# Altium PCB Stabilizer_Pounder.PcbDoc (part 2 of 2) (continued)
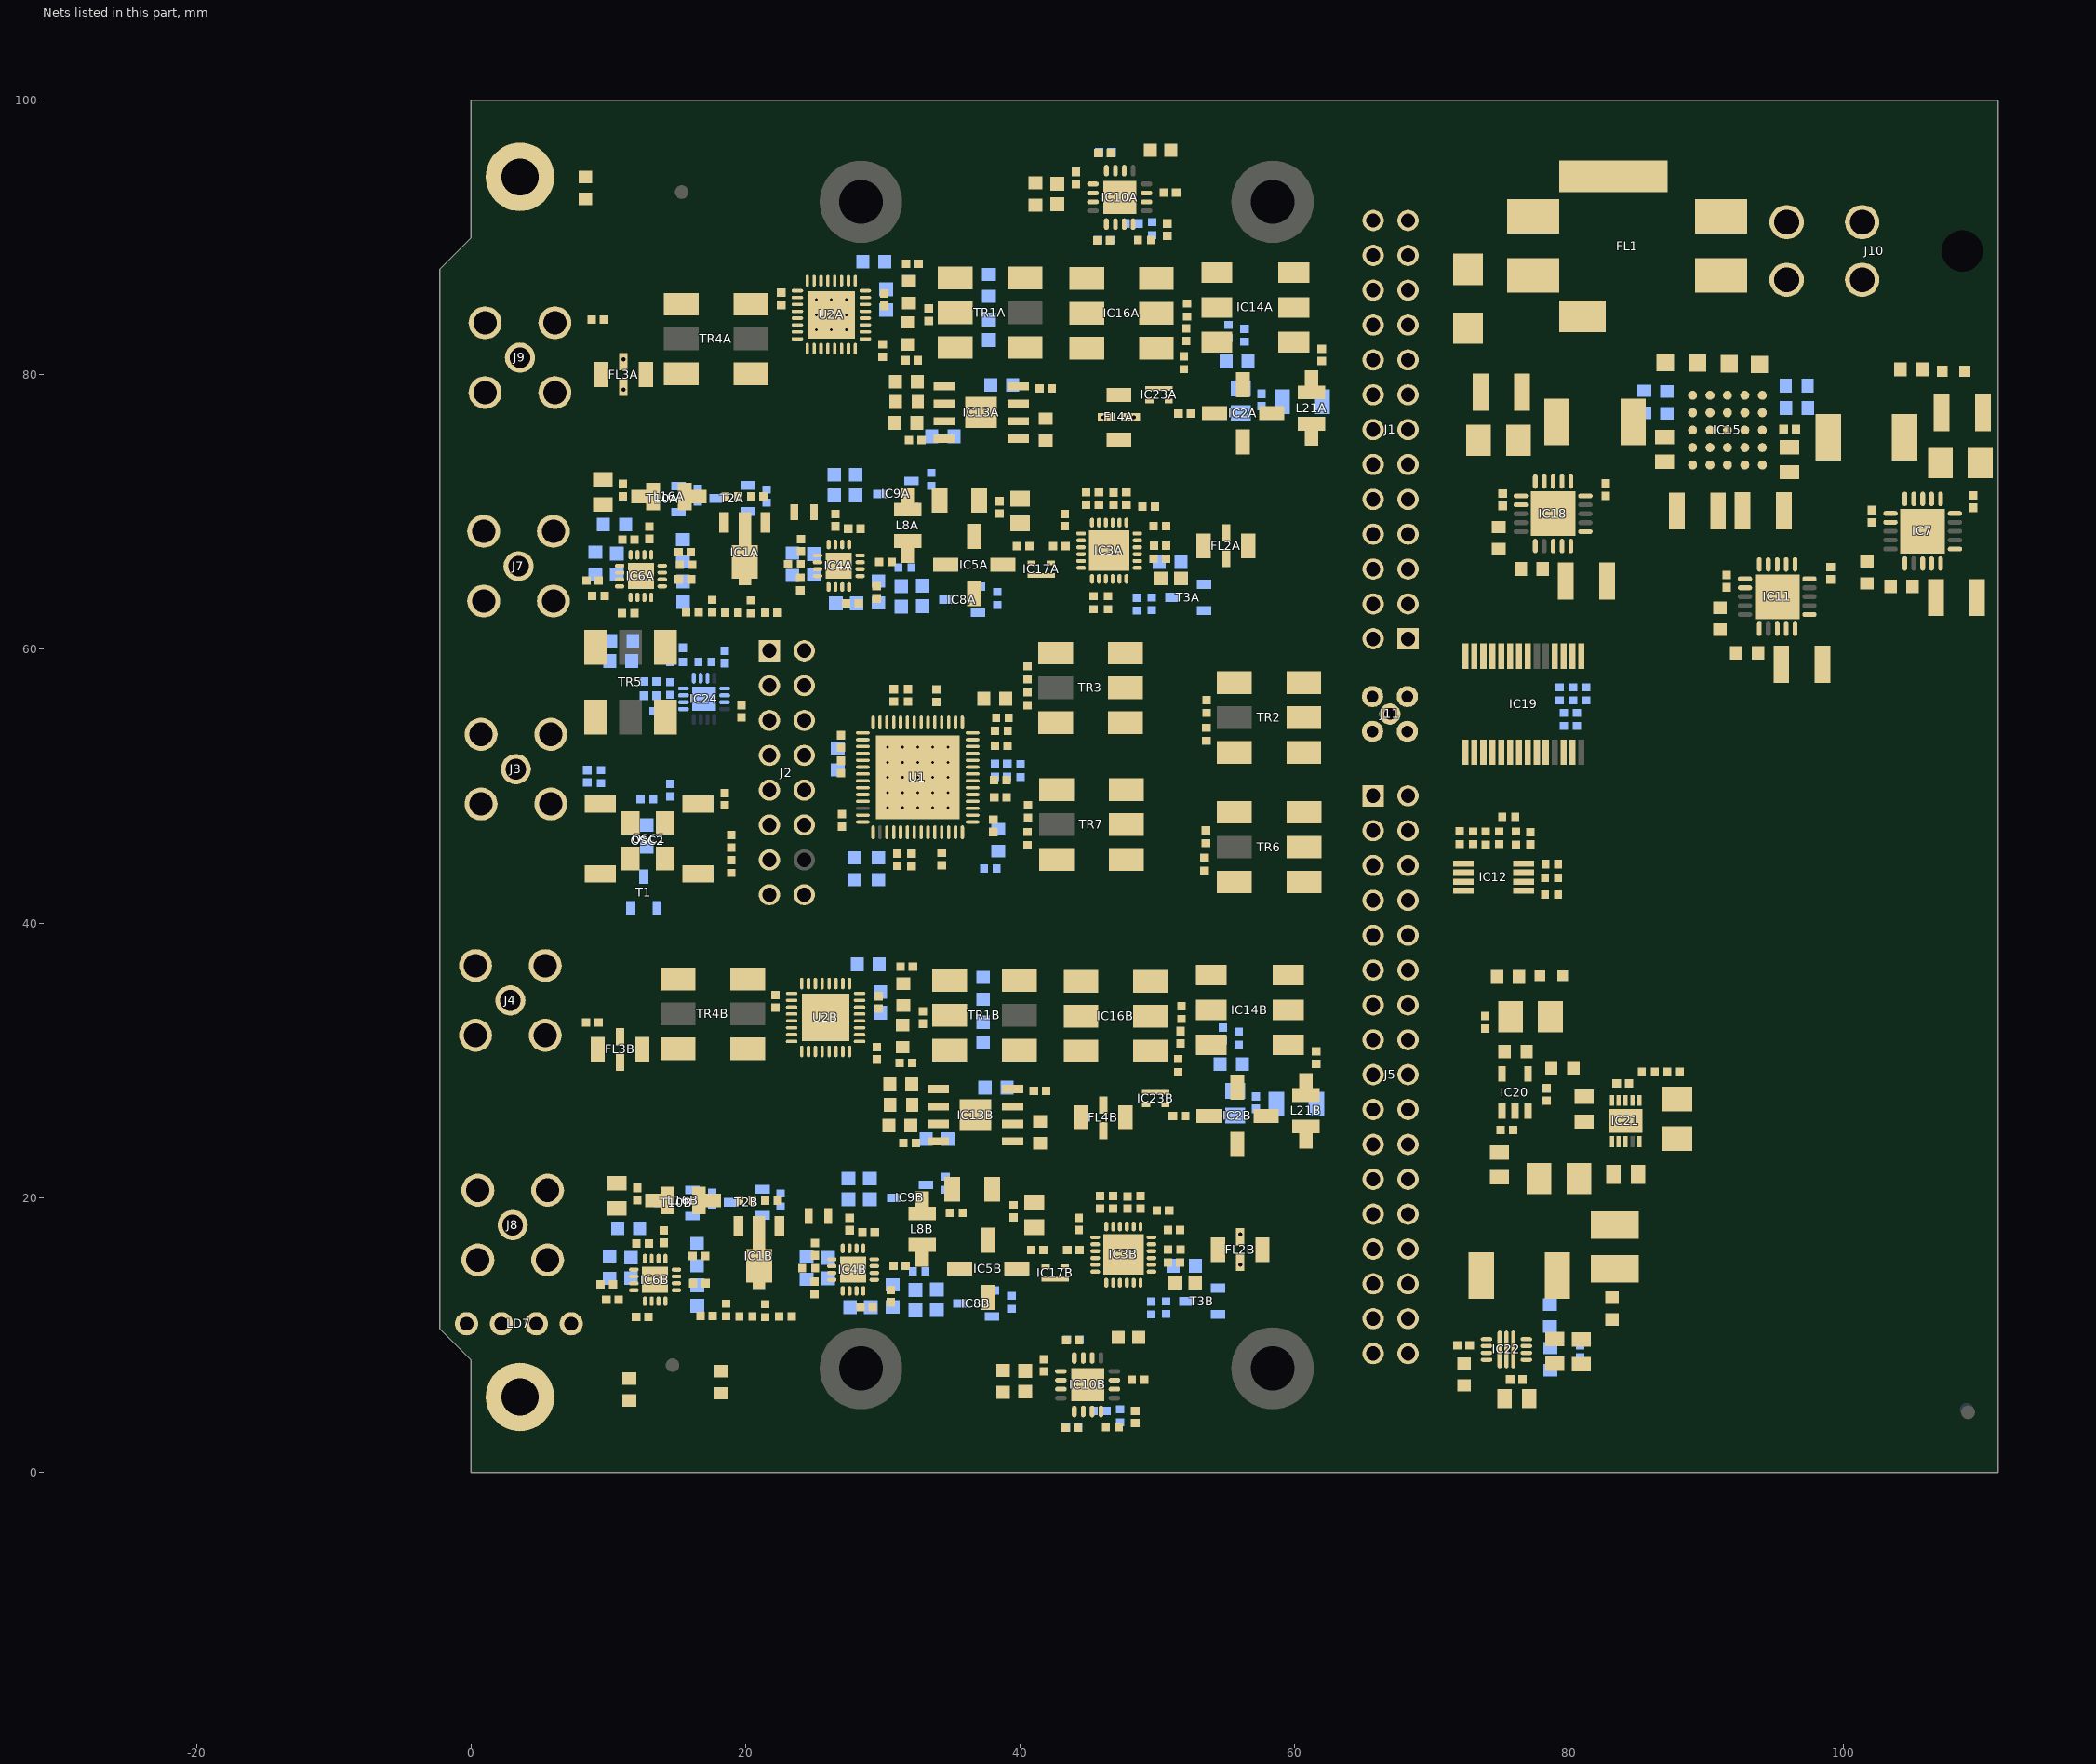
[diagram p3: the nets of this part, all layers, seen from the top]
## Part data (continued)
C64 C70 C132 C155 C179 C182 C183 C211: library part CC0805_22UF_16V_10%_X5R, "Non-polarised capacitor", Case=0805, Manufacturer=GENERIC, Manufacturer1 ComponentHeight=1.35mm, Manufacturer1 Example=TDK, Manufacturer1 Part Number=C2012X5R1C226KT, Tolerance=±10%, Voltage=16V, Author="CERN DEM JLC", Component Type=Standard, CreateDate=25.10.2012, HelpURL=\\cern.ch\dfs\Applications\Altium\Datasheets\CC0805_X5R_TDK_C.pdf, LatestRevisionDate=25.10.2012, Manufacturer Part Number=CC0805_22UF_16V_10%_X5R, Mounted=Yes, Part Description="SMD Multilayer Chip Ceramic Capacitor", Part Number=CC0805_22UF_16V_10%_X5R, Pin Count=2, Sense=No, SMD=Yes, Socket=No, Status=Preferred, TC=X5R
C73 C75 C78 C161 C163 C166 C169: library part CC1210_47UF_10V_20%_X5R, "Non-polarised capacitor", Case=1210, Manufacturer=GENERIC, Manufacturer1 ComponentHeight=2.7mm, Manufacturer1 Example="TAIYO YUDEN", Manufacturer1 Part Number=LMK325BJ476MM-T, Tolerance=±20%, Voltage=10V, Author="CERN DEM JLC", Component Type=Standard, CreateDate=04.05.2011, HelpURL=\\cern.ch\dfs\Applications\Altium\Datasheets\CC1210_X5R_TAIYO-YUDEN_HIGH-VALUE.pdf, LatestRevisionDate=04.05.2011, Manufacturer Part Number=CC1210_47UF_10V_20%_X5R, Mounted=Yes, Part Description="SMD Multilayer Chip Ceramic Capacitor", Part Number=CC1210_47UF_10V_20%_X5R, Pin Count=2, Sense=No, SMD=Yes, Socket=No, Status=None, TC=X5R
C74 C76 C79 C156 C174: library part CTE3528-21_22UF_10V_10%_LESR0700, "Polarised capacitor", Case=B, Manufacturer=GENERIC, Manufacturer1 ComponentHeight=2.1mm, Manufacturer1 Example=AVX, Manufacturer1 Part Number=TPSB226K010R0700, Tolerance=±10%, Voltage=10V, Author="CERN DEM JLC", Component Type=Standard, CreateDate=05.05.2008, HelpURL=\\cern.ch\dfs\Applications\Altium\Datasheets\CTE-LESR_AVX_TPS.pdf, LatestRevisionDate=20.01.2009, Manufacturer Part Number=CTE3528-21_22UF_10V_10%_LESR0700, Mounted=Yes, Part Description="Low ESR 0R7 Solid Tantalum Chip Capacitor", Part Number=CTE3528-21_22UF_10V_10%_LESR0700, Pin Count=2, Sense=No, SMD=Yes, Socket=No, Status=Preferred
D3: "Zener Diode", Case=DO-214AA, Manufacturer="FAIRCHILD SEMICONDUCTOR", Power=600W, Voltage=12V, Author="CERN DEM JLC", Bonding=No, ComponentHeight=2.65mm, Component Type=Standard, CreateDate=10/04/2013, Device=SMBJ12A, HelpURL=\\cern.ch\dfs\Applications\Altium\Datasheets\SMBJ.pdf, LatestRevisionDate=10/04/2013, Manufacturer Part Number=SMBJ12A, Mounted=Yes, PackageDescription="DO-214-AA/SMB Diode, Molded Body; 5.34mm L X 3.625mm W X 2.65mm H, IPC Medium Density", Part Description="Uni-Directional Transient Voltage Suppressor Diode", Part Number=SMBJ12A, Pin Count=2, PressFit=No, Sense=No, SMD=Yes, Socket=No
FL1: library part FIL_MURATA_BNX022-01L, "Block Type EMIFIL (LC Combined)", Manufacturer=MURATA, Manufacturer Part Number=BNX022-01L, Resistance=0.5R, Author="CERN DEM JLC", ComponentHeight=3.3mm, Component Type=Standard, CreateDate=10/10/2012, HelpURL=\\cern.ch\dfs\Applications\Altium\Datasheets\FIL_MURATA_BNX022-01L.pdf, LatestRevisionDate=10/10/2012, Mounted=Yes, Part Description="Block Type EMIFIL (LC Combined) SMD Type, BNX02* Series", Part Number=FIL_MURATA_BNX022-01L, Pin Count=2, Sense=No, SMD=Yes, Socket=No, Status=None
FL2A FL2B FL3A FL3B FL4A FL4B: "50 Ohm DC to 320MHz Low Pass Filter", Manufacturer=MINI-CIRCUITS, Manufacturer Part Number=LFCN-160, Part Number=FIL_MINI-CIRCUITS_LFCN-160, Author="CERN DEM JLC", ComponentHeight=0.94mm, Component Type=Standard, CreateDate=2013-12-09, HelpURL=\\cern.ch\dfs\Applications\Altium\Datasheets\FIL_MINI-CIRCUITS_LFCN-3000+.pdf, LatestRevisionDate=2013-12-09, Mounted=Yes, Part Description="50 Ohm Low Pass Filter", Pin Count=2, Sense=No, SMD=Yes, Socket=No, Status=None
FTG1 FTG2 FTG3 FTG4 FTG5 FTG6: library part FIDUCIAL_TARGET_C100-200, "Fiducial Target", Author="CERN DEM JLC", ComponentHeight=0mm, Component Type="Standard (No BOM)", CreateDate=09/02/2010, Family=Fiducial, HelpURL=Undefined, LatestRevisionDate=04/04/2012, Mounted=No, PackageDescription="Round Fiducial Target, Top Layer, 1.0mm, Top Solder 2.0mm, Keepout =2.0mm", Part Description="Round Fiducial Target, Top Layer, 1.0mm, Top Solder 2.0mm, Keepout =2.0mm", Part Number=FIDUCIAL_TARGET_C100-200, Pin Count=1, Sense=No, SMD=Yes, Socket=No, Status=None
IC1A IC1B: library part PHA-1H+, "Monolithic Amplifier", Manufacturer=MINI-CIRCUITS, Author="CERN DEM MR", Bonding=No, ComponentHeight=1.6mm, Component Type=Standard, CreateDate=04.10.2017, Device=PHA-13LN+, HelpURL=\\cern.ch\dfs\Applications\Altium\Datasheets\PHA-1H+.pdf, LatestRevisionDate=04.10.2017, Manufacturer Part Number=PHA-13LN+, Mounted=Yes, PackageDescription="MINI-CIRCUITS DF782 Case, 1.50mm pitch; 4 pin, 2.44mm W X 4.49mm L", Part Description="0.05-6GHz Surface Mount Monolithic Amplifier", Part Number=PHA-13LN+, Pin Count=4, PressFit=No, Sense=No, SMD=Yes, Socket=No
IC2A IC2B: "Monolithic Amplifier", Manufacturer=MINI-CIRCUITS, Author="CERN DEM JLC", Bonding=No, ComponentHeight=1.52mm, ComponentLink1Description="Package Drawing", ComponentLink1URL=\\cern.ch\dfs\Applications\Altium\Datasheets\ERA-2SM+_Package-Drawing.pdf, Component Type=Standard, CreateDate=09.12.2013, Device=ERA-2SM+, HelpURL=\\cern.ch\dfs\Applications\Altium\Datasheets\ERA-2SM+.pdf, LatestRevisionDate=09.12.2013, Manufacturer Part Number=ERA-2SM+, Mounted=Yes, PackageDescription="MINI-CIRCUITS WW107 Case, Body 2.16mm Diameter X 1.52mm H", Part Description="DC-6GHz Monolithic Amplifier", Part Number=ERA-2SM+, Pin Count=4, PressFit=No, Sense=No, SMD=Yes, Socket=No
IC3A IC3B: "0.5dB LSB GaAs MMIC 6-bit Digital Serial Control Attenuator, DC - 4GHz", Case=QFN24, Manufacturer="HITTITE MICROWAVE CORP", Author="CERN DEM JMW", Bonding=No, ComponentHeight=1mm, Component Type=Standard, CreateDate=2016-08-17, Device=HMC542BLP4E, HelpURL=\\cern.ch\dfs\Applications\Altium\Datasheets\HMC542BLP4E.pdf, LatestRevisionDate=2016-08-17, Manufacturer Part Number=HMC542BLP4E, Mounted=Yes, PackageDescription="QFN, 0.50mm Pitch, Square; 24 Pin, 4.00mm L X 4.00mm W X 1.00mm H Body (w/thermal Tab 2.95 X 2.95mm), IPC Medium Density", Part Description="0.5dB LSB GaAs MMIC 6-bit Digital Serial Control Attenuator, DC to 4GHz", Part Number=HMC542BLP4E, Pin Count=25, PressFit=No, Sense=No, SMD=Yes, Socket=No
IC4A IC4B IC6A IC6B: "High Isolation, Silicon SPDT, Non-Reflective Switch, 9 kHz to 13.0 GHz", Case=QFN16, Manufacturer="ANALOG DEVICES", Author="CERN DEM MR", Bonding=No, ComponentHeight=0.95mm, Component Type=Standard, CreateDate=17.04.2019, Device=HMC1118LP3DE, HelpURL=\\cern.ch\dfs\Applications\Altium\Datasheets\HMC1118LP3DE.pdf, LatestRevisionDate=17.04.2019, Manufacturer Part Number=HMC1118LP3DE, Mounted=Yes, PackageDescription="QFN, 0.50mm Pitch, Square; 16 Pin, 3.00mm L X 3.00mm W X 0.95mm H Body (w/Thermal Tab 1.90 X 1.90mm),  IPC Medium Density", Part Description="High Isolation, Silicon SPDT, Non-Reflective Switch, 9 kHz to 13.0 GHz", Part Number=HMC1118LP3DE, Pin Count=17, PressFit=No, Sense=No, SMD=Yes, Socket=No
IC5A IC5B: "DC-3GHz Monolithic Amplifier", Manufacturer=MINI-CIRCUITS, Author=GK, Bonding=No, ComponentHeight=1.52mm, Component Type=Standard, CreateDate=11.08.2016, Device=ERA-3SM+, HelpURL=\\cern.ch\dfs\Applications\Altium\Datasheets\ERA-4XSM+.pdf, LatestRevisionDate=11.08.2016, Manufacturer Part Number=ERA-3SM+, Mounted=Yes, PackageDescription="MINI-CIRCUITS WW107 Case, Body 2.16mm Diameter X 1.52mm H", Part Description="DC-3GHz Monolithic Amplifier", Part Number=ERA-3SM+, Pin Count=4, PressFit=No, Sense=No, SMD=Yes, Socket=No
IC7 IC11 IC18: "3A, 0.8 to 3.6V Adjustable Low-Dropout Linear Regulator with Programmable Soft-Start", Case=QFN20, Manufacturer="TEXAS INSTRUMENTS", Author="CERN DEM JLC", Bonding=No, ComponentHeight=1mm, Component Type=Standard, CreateDate=07.03.2013, Device=TPS74901RGWT, HelpURL=\\cern.ch\dfs\Applications\Altium\Datasheets\TPS74901RGWT.pdf, LatestRevisionDate=07.03.2013, Manufacturer Part Number=TPS74901RGWT, Mounted=Yes, PackageDescription="QFN, 0.65mm pitch,square; 20 pin, 5mm X 5mm X 1mm H body (w/thermal tab 3.25 X 3.25mm),  IPC Medium Density", Part Description="0.8V to 3.6V, 3.0A Low Dropout Linear Regulator with Programmable Soft-Start", Part Number=TPS74901RGWT, Pin Count=21, PressFit=No, Sense=No, SMD=Yes, Socket=No
IC8A IC8B IC9A IC9B: "Precision Reference 1=Cathode 2=Adj 3=Anode", Case=SOT23, Manufacturer="TEXAS INSTRUMENTS", Author="CERN DEM JLC", Bonding=No, ComponentHeight=1.12mm, Component Type=Standard, CreateDate=28.02.2011, Device=TL431ACDBZT, HelpURL=\\cern.ch\dfs\Applications\Altium\Datasheets\TL431ACDBZT.pdf, LatestRevisionDate=28.02.2011, Manufacturer Part Number=TL431ACDBZT, Mounted=Yes, PackageDescription="SOT, 0.95mm, Pitch; 3 pin,1.30mm W X 2.92mm L X 1.12mm H Body, IPC Medium Density", Part Description="Vref (2.5V) To 36V 1% Precision Programmable Reference", Part Number=TL431ACDBZT, Pin Count=3, PressFit=No, Sense=No, SMD=Yes, Socket=No
IC10A IC10B: "50Hz to 6GHz, 50 dB TruPwr Detector", Case=QFN16, Manufacturer="ANALOG DEVICES", Author="CERN DEM JLC", Bonding=No, ComponentHeight=0.8mm, Component Type=Standard, CreateDate=22.02.2017, Device=AD8363ACPZ-R7, HelpURL=\\cern.ch\dfs\Applications\Altium\Datasheets\AD8363ACPZ-R7.pdf, LatestRevisionDate=22.02.2017, Manufacturer Part Number=AD8363ACPZ-R7, Mounted=Yes, PackageDescription="QFN, 0.65mm Pitch, Square; 16 Pin, 4.00mm L X 4.00mm W X 0.80mm H Body (w/Thermal tab 2.4 X 2.4mm),  IPC Medium Density", Part Description="50Hz to 6GHz, 50 dB TruPwr Detector", Part Number=AD8363ACPZ-R7, Pin Count=17, PressFit=No, Sense=No, SMD=Yes, Socket=No
IC12: "Digital Temperature Sensor and Thermal Watchdog with Two-Wire Interface", Case=SSOP8, Manufacturer="TEXAS INSTRUMENTS", Author="CERN DEM JLC", Bonding=No, ComponentHeight=1.09mm, Component Type=Standard, CreateDate=15.10.2012, Device=LM75AIMM/NOPB, HelpURL=\\cern.ch\dfs\Applications\Altium\Datasheets\LM75AIMM-NOPB.pdf, LatestRevisionDate=15.10.2012, Manufacturer Part Number=LM75AIMM/NOPB, Mounted=Yes, PackageDescription="SOP, 0.65mm pitch; 8 pin,3.00mm W X 3.00mm L X 1.09mm H bodyI, PC Medium Density", Part Description="-25° to +100°C ±2°C Digital Temperature Sensor and Thermal Watchdog with Two-Wire Interface", Part Number=LM75AIMM/NOPB, Pin Count=8, PressFit=No, Sense=No, SMD=Yes, Socket=No
IC13A IC13B: library part ADA4898-2YRDZ, "Dual Operational Amplifier With Exposed Pad", Case=SOIC8, Manufacturer="ANALOG DEVICES", Author="CERN DEM MR", Bonding=No, ComponentHeight=1.75mm, Component Type=Standard, CreateDate=20.05.2016, Device=ADA4625-2ARDZ, HelpURL=\\cern.ch\dfs\Applications\Altium\Datasheets\ADA4898-2YRDZ.pdf, LatestRevisionDate=20.05.2016, Manufacturer Part Number=ADA4625-2ARDZ, Mounted=Yes, PackageDescription="SOIC 8, Pitch 1.27mm - Body 4x5mm, (w/thermal tab 2.29mm X 2.29mm), IPC Medium Density", Part Description="Double, High Voltage, Low Noise, Low Distortion, Unity-Gain Stable, High Speed Operational Amplifier", Part Number=ADA4625-2ARDZ, Pin Count=9, PressFit=No, Sense=No, SMD=Yes, Socket=No
IC14A IC14B: library part MAMX-007238-CM25MH, "5 to 2500 MHz E-Series Surface Mount Mixer", Manufacturer=MACOM, Author="CERN DEM JLC", Bonding=No, ComponentHeight=4.85mm, Component Type=Standard, CreateDate=08.02.2017, Device=ADE-1+, HelpURL=\\cern.ch\dfs\Applications\Altium\Datasheets\MAMX-007238-CM25MH.pdf, LatestRevisionDate=08.02.2017, Manufacturer Part Number=ADE-1+, Mounted=Yes, PackageDescription="MACOM Case Style SM-87 - Body W 6.35 x L 8.20 H 4.85mm", Part Description="5 to 2500 MHz E-Series Surface Mount Mixer", Part Number=ADE-1+, Pin Count=6, PressFit=No, Sense=No, SMD=Yes, Socket=No
IC15: "Dual Ultrathin 2A or Single 4A, 3.6V to 20V, 1.5V to 12V   Step-Down DC/DC µModule Regulator", Case=LGA25, Manufacturer="LINEAR TECHNOLOGY", Author=GK, Bonding=No, ComponentHeight=2.92mm, Component Type=Standard, CreateDate=06.05.2010, Device=LTM4622AEV#PBF, HelpURL=\\cern.ch\dfs\Applications\Altium\Datasheets\LTM4619EV#PBF.pdf, LatestRevisionDate=07.12.2011, Manufacturer Part Number=LTM4622AEV#PBF, Mounted=Yes, PackageDescription="LGA, 25-Leads, Body 6.25x6.25mmx1.90mm, Pitch 1.27mm", Part Description="Dual Ultrathin 2A or Single 4A, 3.6V to 20V, 1.5V to 12V   Step-Down DC/DC µModule Regulator", Part Number=LTM4622AEV#PBF, Pin Count=25, PressFit=No, Sense=No, SMD=Yes, Socket=No
IC16A IC16B: library part ADPQ-2-250, "50?,   20dB Coupling,    1 to 800 MHz", Manufacturer=MINI-CIRCUITS, Author="CERN DEM MR", Bonding=No, ComponentHeight=5.23mm, Component Type=Standard, CreateDate=02.03.2017, Device=ADCB-20-82+, HelpURL=\\cern.ch\dfs\Applications\Altium\Datasheets\ADPQ-2-250.pdf, LatestRevisionDate=02.03.2017, Manufacturer Part Number=ADCB-20-82+, Mounted=Yes, PackageDescription="MINI-CIRCUITS CD636 Case, 2.54mm pitch; 6 pin, 5.59mm W X 7.87mm L", Part Description="50?,   20dB Coupling,    1 to 800 MHz", Part Number=ADCB-20-82+, Pin Count=6, PressFit=No, Sense=No, SMD=Yes, Socket=No
IC17A IC17B IC23A IC23B: "DC to 10GHz, 100mw, 50 Ohm, 9dB, Precision chip attenuator", Case=0402, Manufacturer=SUSUMU, Author=GK, Bonding=No, ComponentHeight=0.39mm, Component Type=Standard, CreateDate=09.03.2017, Device=PAT1220-C-1DB-T5, HelpURL=\\cern.ch\dfs\Applications\Altium\Datasheets\PAT0510S-C-9DB-T10.pdf, LatestRevisionDate=02.05.2017, Manufacturer Part Number=PAT1220-C-1DB-T5, Mounted=Yes, PackageDescription="SUSUMU PAT1220, 4 Pin Attenuator, Sise 0402, L 1.00 x W 0.5 H 0.39mm", Part Description="DC to 10GHz, 100mw, 50 Ohm, 9dB, Precision Chip 3dB Attenuator", Part Number=PAT1220-C-1DB-T5, Pin Count=4, PressFit=No, Sense=Yes, Sense Comment="Solder Paste Deposition Limitation", SMD=Yes, Socket=No, Status=Recommended
IC19: "16-bit I/O Port Expander With Serial Interface", Case=SSOP28, Manufacturer="MICROCHIP TECHNOLOGY", Author="CERN DEM JLC", Bonding=No, ComponentHeight=2mm, Component Type=Standard, CreateDate=17.01.2011, Device=MCP23017-E/SS, HelpURL=\\cern.ch\dfs\Applications\Altium\Datasheets\MCP23017-E-SS.pdf, LatestRevisionDate=17.01.2011, Manufacturer Part Number=MCP23017-E/SS, Mounted=Yes, PackageDescription="SOP, 0.65mm Pitch; 28 pin, 5.30mm W X 10.20mm L X 2.00mm H body, IPC Medium Density", Part Description="16-bit I/O Port Expander With Serial Interface", Part Number=MCP23017-E/SS, Pin Count=28, PressFit=No, Sense=No, SMD=Yes, Socket=No
IC20: "100mA, Low Noise, LDO Micropower Adjustable Regulator in SOT-23", Case=SOT23, Manufacturer="LINEAR TECHNOLOGY", Author="CERN DEM MR", Bonding=No, ComponentHeight=1mm, Component Type=Standard, CreateDate=17.02.2016, Device=LT1761ES5-BYP#TRMPBF, HelpURL=\\cern.ch\dfs\Applications\Altium\Datasheets\LT1761ES5-SD#TRMPBF.pdf, LatestRevisionDate=17.02.2016, Manufacturer Part Number=LT1761ES5-BYP#TRMPBF, Mounted=Yes, PackageDescription="SOT23, 0.95mm pitch; 5 pin, 1.6mm W X 2.9mm L, IPC Medium Density", Part Description="1.22V to 20V, 100mA, Low Noise, LDO Adjustable Micropower Regulator", Part Number=LT1761ES5-BYP#TRMPBF, Pin Count=5, PressFit=No, Sense=No, SMD=Yes, Socket=No
IC21: "20V, 500mA, Ultralow Noise, Ultrahigh PSRR Linear Regulator", Case=SON10, Manufacturer="LINEAR TECHNOLOGY", Author="CERN DEM JLC", Bonding=No, ComponentHeight=0.8mm, Component Type=Standard, CreateDate=07.12.2016, Device=LT3045EDD#PBF, HelpURL=\\cern.ch\dfs\Applications\Altium\Datasheets\LT3045EDD#PBF.pdf, LatestRevisionDate=07.12.2016, Manufacturer Part Number=LT3045EDD#PBF, Mounted=Yes, PackageDescription="SON, 0.50mm Pitch, 10-pin, 3.00mm W  X 3.00mm L X 0.80mm Height, (w/thermal tab 1.75 X 2.48 mm), IPC Medium Density", Part Description="20V, 500mA, Ultralow Noise, Ultrahigh PSRR Linear Regulator", Part Number=LT3045EDD#PBF, Pin Count=11, PressFit=No, Sense=No, SMD=Yes, Socket=No
IC22: "3V-17V 2A Step-Down Converter, High Accuracy, With DCS-Control", Case=QFN14, Manufacturer="TEXAS INSTRUMENTS", Author="CERN DEM MR", Bonding=No, ComponentHeight=1mm, Component Type=Standard, CreateDate=08.02.2019, Device=TPS62148RGX, HelpURL=\\cern.ch\dfs\Applications\Altium\Datasheets\TPS62148RGX.pdf, LatestRevisionDate=08.02.2019, Manufacturer Part Number=TPS62148RGX, Mounted=Yes, PackageDescription="TEXAS Case Style (R-VQFN-HR-N11), 0.50mm Pitch, 11-pin, 2.00mm W X 3.00mm L X 1.00mm H Body", Part Description="3V-17V 2A Step-Down Converter, High Accuracy, With DCS-Control", Part Number=TPS62148RGX, Pin Count=11, PressFit=No, Sense=No, SMD=Yes, Socket=No
IC24: "Low-Jitter LVDS Fanout Clock Buffers, 10-Output,  Any-Input, Any-Frequency up to 1250MHz", Case=QFN16, Manufacturer="SILICON LABS", Author="CERN DEM MR", Bonding=No, ComponentHeight=0.9mm, Component Type=Standard, CreateDate=04.09.2017, Device=Si53340-B-GM, HelpURL=\\cern.ch\dfs\Applications\Altium\Datasheets\Si53340-B-GM.pdf, LatestRevisionDate=04.09.2017, Manufacturer Part Number=Si53340-B-GM, Mounted=Yes, PackageDescription="QFN, 0.50mm Pitch, Square; 16 Pin, 3.00mm L X 3.00mm W X 0.90mm H Body (w/thermal tab 1.75mm x 1.75mm), IPC Medium Density", Part Description="Low-Jitter LVDS Fanout Clock Buffers, 10-Output,  Any-Input, Any-Frequency up to 1250MHz", Part Number=Si53340-B-GM, Pin Count=17, PressFit=No, Sense=No, SMD=Yes, Socket=No
J1: library part ESW-113-23-L-D, "Connector Elevated Socket 26 POS 2.54mm, 13.59mm height", Manufacturer=Samtec, Manufacturer Part Number=ESW-108-23-L-D
J2: "Connector Elevated Socket 16 POS 2.54mm, 13.59mm height", Manufacturer=Samtec, Manufacturer Part Number=ESW-108-23-L-D
J3 J4 J7 J8 J9: "50 Ohm Through Hole SMA Right Angle PCB Jack", Manufacturer=AdamTech, Manufacturer Part Number=RF249BT0050GHDW, Part Number=AdamTech_RF249BT0050GHDW, Author=GK, ComponentHeight=10.44mm, Component Type=Standard, CreateDate=06.10.2016, Family=SMA, HelpURL=\\cern.ch\dfs\Applications\Altium\Datasheets\AMPHENOL_132203.pdf, LatestRevisionDate=06.10.2016, Mounted=Yes, Part Description="50 Ohm Through Hole SMA Right Angle PCB Jack", Pin Count=5, PressFit=No, Sense=No, SMD=No, Socket=No, Status=None
J5: library part ESW-117-23-L-D, "Connector Elevated Socket 34 POS 2.54mm, 13.59mm height", Manufacturer=Samtec, Manufacturer Part Number=ESW-117-33-L-D-ND
J10: library part MOLEX_39-30-0040, "Connector 4 Male", Manufacturer=MOLEX, Manufacturer Part Number=39-30-0040, Author="CERN DEM JLC", ComponentHeight=11.4mm, Component Type=Standard, CreateDate=02/10/2018, Family="Mini-Fit Jr.™", HelpURL=\\cern.ch\dfs\Applications\Altium\Datasheets\MOLEX_39-30-0040.pdf, LatestRevisionDate=02/10/2018, Mounted=Yes, Part Description="4.20mm (.165\") Pitch Mini-Fit Jr. Header, Dual Row, Right Angle with Snap-in Plastic Peg PCB Lock, 4 Circuits", Part Number=MOLEX_39-30-0040, Pin Count=4, PressFit=No, Sense=No, SMD=No, Socket=No, Status=None
J11: Manufacturer=NINIGI, Manufacturer Part Number="NINIGI MMCX-10", Part Number=MMCX-10, Author=GK, ComponentHeight=4.35mm, Component Type=Standard, CreateDate=05.12.2012, HelpURL=\\cern.ch\dfs\Applications\Altium\Datasheets\SAMTEC_MMCX-J-P-H-ST-TH1.pdf, LatestRevisionDate=05.12.2012, Mounted=Yes, Part Description="Straight Through-hole 50 Ohm Micro Mini RF Jack, MMCX Series", Pin Count=2, PressFit=No, Sense=No, SMD=No, Socket=No, Status=None
L1 L6 L7 L9 L10: library part IND0603_MURATA_BLM18PG121SN1D, "Inductor", Case=0603, Manufacturer=MURATA, Manufacturer Part Number=BLM18PG121SN1D, Power=2A, Resistance=0.05R, Author="CERN DEM BC", ComponentHeight=0.95mm, Component Type=Standard, CreateDate=2015-07-27, HelpURL=\\cern.ch\dfs\Applications\Altium\Datasheets\IND0603_MURATA_BLM18P.pdf, LatestRevisionDate=2015-07-27, Mounted=Yes, Part Description="SMD EMIFIL Chip Ferrite Bead", Part Number=IND0603_MURATA_BLM18PG121SN1D, Pin Count=2, Sense=No, SMD=Yes, Socket=No, Status=None
L2 L3 L4: library part IND_1.5UH_20%_TDK_SPM6530, "Inductor With Core", Manufacturer=TDK, Manufacturer Part Number=SPM6530T-1R5M100, Power=11A, Resistance=0.0097R, Tolerance=±20%, Author="CERN DEM MR", ComponentHeight=3mm, Component Type=Standard, CreateDate=08.11.2016, HelpURL=\\cern.ch\dfs\Applications\Altium\Datasheets\IND_TDK_SPM6530.pdf, LatestRevisionDate=08.11.2016, Mounted=Yes, Part Description="SMD Inductor for Power Circuits (Wound Metal), SPM Series", Part Number=IND_1.5UH_20%_TDK_SPM6530, Pin Count=2, Sense=No, SMD=Yes, Socket=No, Status=None
L5: library part IND_10UH_10%_MURATA-PS_8400, "Inductor With Core", Manufacturer="MURATA POWER SOLUTIONS", Manufacturer Part Number=84103C, Power=950mA, Resistance=0.24R, Tolerance=±10%, Author="CERN DEM JLC", ComponentHeight=2.9mm, Component Type=Standard, CreateDate=02.07.2012, HelpURL=\\cern.ch\dfs\Applications\Altium\Datasheets\IND_MURATA-PS_8400.pdf, LatestRevisionDate=02.07.2012, Mounted=Yes, Part Description="Miniature Surface Mount Power Inductor (8400 Serie)", Part Number=IND_10UH_10%_MURATA-PS_8400, Pin Count=2, Sense=No, SMD=Yes, Socket=No, Status=None
L8A L8B L16A L16B L21A L21B: library part IND_10UH_10%_MURATA_LQH32CN100K33L, "Inductor With Core", Manufacturer=MURATA, Manufacturer Part Number=LQH32CN100K33L, Power=450mA, Resistance=0.3R, Tolerance=±10%, Author="CERN DEM JLC", ComponentHeight=2.2mm, Component Type=Standard, CreateDate=06.04.2009, HelpURL=\\cern.ch\dfs\Applications\Altium\Datasheets\IND_MURATA_LQH32CN_33.pdf, LatestRevisionDate=04.07.2018, Mounted=Yes, Part Description="Chip Inductor (Chip Coil) for Choke Wire Wound Type", Part Number=IND_10UH_10%_MURATA_LQH32CN100K33L, Pin Count=2, Sense=No, SMD=Yes, Socket=No, Status=None
L11A L11B L12A L12B L13A L13B L14A L14B L15A L15B L17A L17B L19A L19B L20A L20B L22A L22B L23A L23B L24A L24B: library part IND0603_TDK_MPZ1608R391A, "Inductor", Case=0603, Manufacturer=TDK, Manufacturer Part Number=MPZ1608R391A, Power=1.2A, Resistance=0.12R, Tolerance=±25%, Author="CERN DEM JLC", ComponentHeight=0.95mm, Component Type=Standard, CreateDate=2009-12-02, HelpURL=\\cern.ch\dfs\Applications\Altium\Datasheets\IND0603_TDK_MPZ1608.pdf, LatestRevisionDate=2009-12-02, Mounted=Yes, Part Description="SMT Chip Bead for Power Line", Part Number=IND0603_TDK_MPZ1608R391A, Pin Count=2, Sense=No, SMD=Yes, Socket=No, Status=None
L18A L18B: library part IND0603_4.7NH_2%_MURATA_LQW18AN4N7G8Z, "Inductor With Core", Case=0603, Manufacturer=MURATA, Manufacturer Part Number=LQW18AN4N7G8Z, Power=1.5A, Resistance=0R054, Tolerance=±2%, Author="CERN DEM BC", ComponentHeight=1mm, Component Type=Standard, CreateDate=26.08.2019, HelpURL=\\cern.ch\dfs\Applications\Altium\Datasheets\IND_MURATA_LQW18AN4N7G8Z.pdf, LatestRevisionDate=26.08.2019, Mounted=Yes, Part Description="Wirw Wond RF Inductor For Automotive", Part Number=IND0603_4.7NH_2%_MURATA_LQW18AN4N7G8Z, Pin Count=2, Sense=No, SMD=Yes, Socket=No, Status=None
LD1 LD9: "Green 0603", Manufacturer=KINGBRIGHT, Manufacturer Part Number=KPH-1608CGCK, Part Number=LED_KINGBRIGHT_KPH-1608CGCK, Author="CERN DEM JLC", Bonding=No, Color=Green, ComponentHeight=0.65mm, Component Type=Standard, CreateDate=03.07.2017, HelpURL=\\cern.ch\dfs\Applications\Altium\Datasheets\LED_KINGBRIGHT_KPH-1608CGCK.pdf, LatestRevisionDate=03.07.2017, Mounted=Yes, PackageDescription="SMT Green LED, Case 0603, Body L 1.6 x W 0.8mm H 0.65mm", Part Description="SMD Green LED, Case 1.6mmX0.8mm(0603), 0.65mm Thickness", Pin Count=2, PressFit=No, Sense=No, SMD=Yes, Socket=No
LD7: library part LED_DIALIGHT_571-0112F, "2x LED  Botom Green, Top Red", Manufacturer=DIALIGHT, Manufacturer Part Number=571-0112F, Author="CERN DEM JLC", Bonding=No, Color=Red/Green, ComponentHeight=8.6mm, Component Type=Standard, CreateDate=09.11.2009, HelpURL=\\cern.ch\dfs\Applications\Altium\Datasheets\LED_DIALIGHT_571-0112F.pdf, LatestRevisionDate=17.03.2010, Mounted=Yes, PackageDescription="2x 2mm LED (Top: Red, Bot: Green) PCB Edge Mounting (Without positioning pins) DIALIGHT 571 Serie", Part Description="Dual 2mm  LEDs, Red Top,Green Bot, CBI® Circuit Board Indicator (Without positioning pins)", Part Number=LED_DIALIGHT_571-0112F, Pin Count=4, PressFit=No, Sense=No, SMD=No, Socket=No
OSC1: "100MHz low noise oscillator", Manufacturer="CRYSTEK CRYSTAL", Manufacturer Part Number=CCHD-950-25-100.000, Part Number=OSC_100MHZ_CRYSTEK_CCHD-950-25-100.000, Author=GK, Bonding=No, ComponentHeight=5.3mm, Component Type=Standard, CreateDate=04.11.2016, HelpURL=\\cern.ch\dfs\Applications\Altium\Datasheets\OSC_CRYSTEK_CVHD-950.pdf, LatestRevisionDate=04.11.2016, Mounted=Yes, PackageDescription="Oscillator, 5.08mm Pitch; 4 Pin, 14.2mm L X 9.14mm W X 5.3mm H, CCHD-950 Serie", Part Description="3.3V, ±25ppm, 0..70°C, CMOS Surface Mount Ultra-Low Noise Oscillator (CCHD-950 Series)", Pin Count=4, PressFit=No, Sense=No, SMD=Yes, Socket=No
OSC2: "Crystal or Oscillator", Manufacturer_Name="Silicon Labs", Mouser Part Number=634-510CCA100M000BAG, Datasheet Link=https://www.silabs.com/documents/public/data-sheets/si510-11.pdf, Height=1mm, Manufacturer_Part_Number=510CCA100M000BAG, Mouser Price/Stock=https://www.mouser.com/Search/Refine.aspx?Keyword=634-510CCA100M000BAG
R1A R1B R6A R6B: library part R0402_7K5_1%_0.0625W_100PPM, "Resistor - 1%", Case=0402, Manufacturer=GENERIC, Manufacturer1 ComponentHeight=0.4mm, Manufacturer1 Example="YAGEO PHYCOMP", Manufacturer1 Part Number=232270677502L, Power=0.0625W, Tolerance=±1%, Author="CERN DEM JLC", Component Type=Standard, CreateDate=03.12.2007, HelpURL=\\cern.ch\dfs\Applications\Altium\Datasheets\R0402_Phycomp_RC0402.pdf, LatestRevisionDate=17.10.2012, Manufacturer Part Number=R0402_7K5_1%_0.0625W_100PPM, Mounted=Yes, Part Description="General Purpose Thick Film Chip Resistor", Part Number=R0402_7K5_1%_0.0625W_100PPM, Pin Count=2, PressFit=No, Sense=No, SMD=Yes, Socket=No, Status="Not Recommended", TC=±100ppm/°C
R2A R2B R46 R47 R48 R123 R124 R125 R126 R127 R128 R138A R138B R?A R?B: library part R0402_0R_JUMPER, "Resistor", Case=0402, Manufacturer=GENERIC, Manufacturer1 ComponentHeight=0.4mm, Manufacturer1 Example="YAGEO PHYCOMP", Manufacturer1 Part Number=232270591001L, Author="CERN DEM JLC", Component Type=Standard, HelpURL=\\cern.ch\dfs\Applications\Altium\Datasheets\R0402_Phycomp_RC0402.pdf, Manufacturer Part Number=R0402_0R_JUMPER, Mounted=Yes, Part Description="1A (0.05R Max DC Resistance) Zero Ohm Jumper", Part Number=R0402_0R_JUMPER, Pin Count=2, Sense=No, SMD=Yes, Socket=No, Status="Not recommended"
  R2A R2B R46 R47 R48 R138A R138B R?A R?B: CreateDate=2007-12-03, LatestRevisionDate=2012-10-17
  R123 R124 R125 R126 R127 R128: CreateDate=03.12.2007, LatestRevisionDate=17.10.2012